# Altium PCB FlatSat Half 2.PcbDoc (part 7 of 9)
Units mil, origin at the board's own origin, x right, y up, seen from the top; angles counter-clockwise.
Board outline 4682 x 11604 mil, 4 copper layers (Top Layer, STR GND 1, STR GND 2, Bottom Layer), stack 33.434 mil thick; 231 components, 255 nets, 990 pads, 1104 vias.
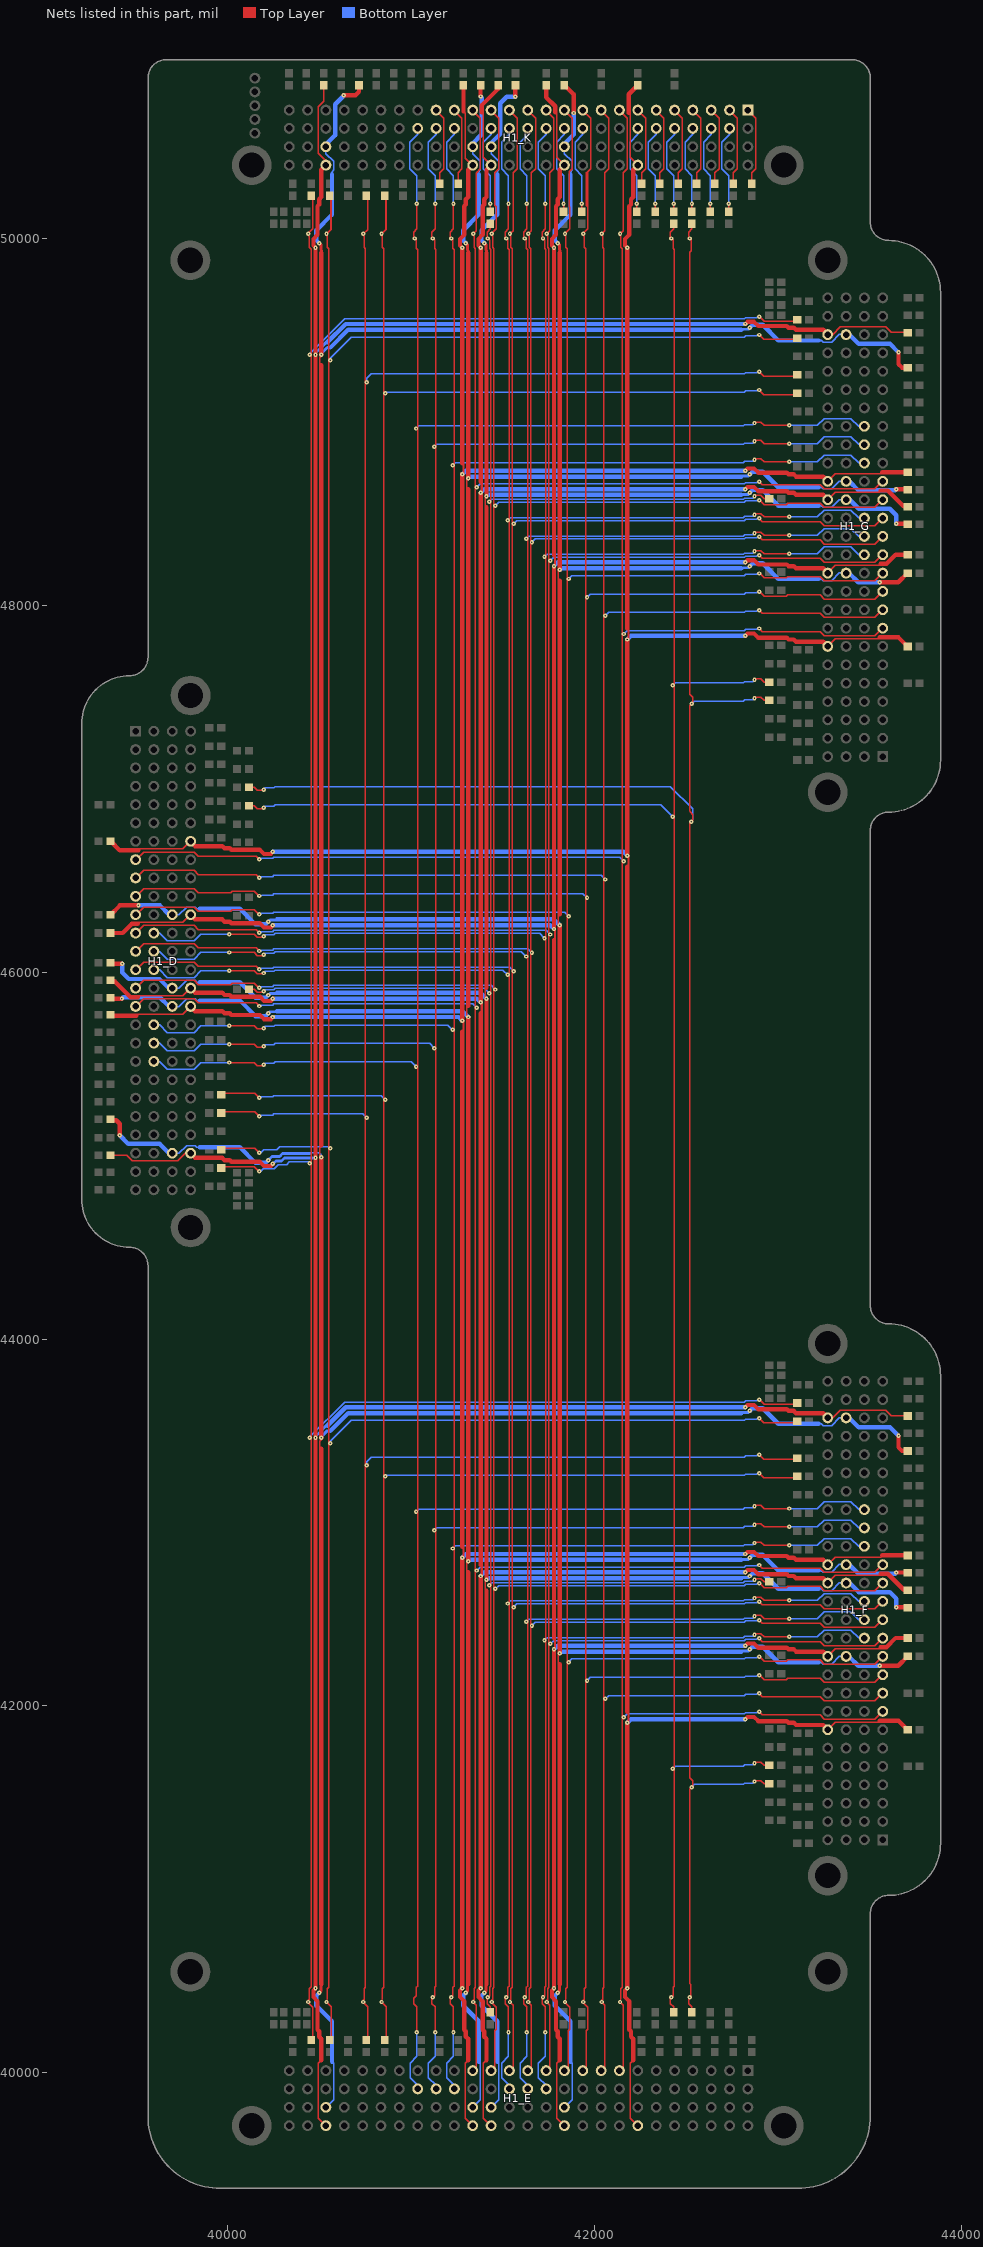
[diagram p9: the nets of this part, all layers, seen from the top]

## Via types
v1: diameter 24, hole 8, Top Layer to Bottom Layer, 1104 vias

## Nets (pads, with @x,y where several pads share a name; then routed paths per layer and width w, separated by ;. In a path a pad name is that pad's centre, name@x,y a point inside that pad or via, vN(x,y) a via of type N, cw(c..) or ccw(c..) an arc to the next point about the centre after c; other vN are vias at no path point) (continued)
GND_11: H1_D.73 H1_E.73 H1_F.73 H1_G.73 H1_K.73 J71_A.2 J71_D.2 J71_F.2 J71_G.2 | length 17789.7
  Top Layer w8: 41812,42228 41804,42236 41804,42280 v1(41812,42288) ; v1(41812,46255) 41804,46263 41804,46307 41812,46315 ; 41812,48133 41804,48141 41804,48185 v1(41812,48193)
  Top Layer w16: v1(41800,40436) 41809,40445 41809,40475 41812,40478 41812,40483 ; v1(41800,49974) 41809,49965 41809,49935 41812,49932 41812,49927
  Top Layer w24: J71_D.2@39363.48,46313 39413.95,46363.47 v1(39515,46363.47) ; 41812,40483 41812,42228 ; v1(41812,42288) v1(41812,46255) ; 41812,46315 41812,48133 ; v1(41812,48193) 41812,49922 ; J71_A.2@41837,50834.52 41887.47,50784.05 v1(41887.47,50683) ; v1(43556,42219.53) 43657.05,42219.53 J71_F.2@43707.52,42270 ; v1(43556,48124.53) 43657.05,48124.53 J71_G.2@43707.52,48175
  Bottom Layer w8: H1_D.73@39698,46312 39735,46312 39777.53,46354.53 39823.47,46354.53 39833,46345 39848,46345 ; H1_E.73@41837,39812 41878.53,39853.53 41878.53,40052.47 41870,40061 ; H1_K.73@41837,50499 41837,50462 41878.53,50420.47 41878.53,50372.53 41870,50364 41870,50349 ; 43223,42238 43238,42238 43247.53,42228.47 43293.47,42228.47 43336,42271 H1_F.73@43373,42271 ; 43223,48143 43238,48143 43247.53,48133.47 43293.47,48133.47 43336,48176 H1_G.73@43373,48176
  Bottom Layer w16: v1(40223,46275) 40232,46284 40262,46284 ; 40265,46287 40270,46287 ; 42801,42296 42806,42296 ; 42801,48201 42806,48201 ; 42809,42299 42839,42299 v1(42848,42308) ; 42809,48204 42839,48204 v1(42848,48213)
  Bottom Layer w22: 40208,46260 v1(40223,46275) ; 41785,40421 v1(41800,40436) ; 41785,49989 v1(41800,49974) ; v1(42848,42308) 42863,42323 ; v1(42848,48213) 42863,48228
  Bottom Layer w24: v1(39515,46363.47) 39632.53,46363.47 39683,46313 H1_D.73@39699,46313 ; 39848,46345 40068,46345 40153,46260 40208,46260 ; 40270,46287 41780,46287 v1(41812,46255) ; 41785,40421 41785,40366 41870,40281 41870,40061 ; 41785,49989 41785,50044 41870,50129 41870,50349 ; v1@41813,42289 41820,42296 42801,42296 ; v1@41813,48194 41820,48201 42801,48201 ; H1_K.73@41837,50499 41837,50515 41887.47,50565.47 v1(41887.47,50683) ; 42863,42323 42918,42323 43003,42238 43223,42238 ; 42863,48228 42918,48228 43003,48143 43223,48143 ; H1_F.73@43372,42270 43388,42270 43438.47,42219.53 v1(43556,42219.53) ; H1_G.73@43372,48175 43388,48175 43438.47,48124.53 v1(43556,48124.53)
GND_12: H1_D.81 H1_E.81 H1_F.81 H1_G.81 H1_K.81 J81_A.2 J81_D.2 J81_F.2 J81_G.2 | length 18341.7
  Top Layer w8: 41412,42628 41404,42636 41404,42680 v1(41412,42688) ; v1(41412,45855) 41404,45863 41404,45907 41412,45915 ; 41412,48533 41404,48541 41404,48585 v1(41412,48593)
  Top Layer w16: v1(41400,40436) 41409,40445 41409,40475 41412,40478 41412,40483 ; v1(41400,49974) 41409,49965 41409,49935 41412,49932 41412,49927
  Top Layer w24: J81_D.2@39363.48,46044.9 v1@39422.9,46044.9 ; 41412,40483 41412,42628 ; v1(41412,42688) v1(41412,45855) ; 41412,45915 41412,48533 ; v1(41412,48593) 41412,49922 ; v1@41568.9,50775.1 J81_A.2@41568.9,50834.52 ; v1@43648.1,42538.1 J81_F.2@43707.52,42538.1 ; v1@43648.1,48443.1 J81_G.2@43707.52,48443.1
  Bottom Layer w8: H1_D.81@39698,45912 39735,45912 39777.53,45954.53 39823.47,45954.53 39833,45945 39848,45945 ; H1_E.81@41437,39812 41478.53,39853.53 41478.53,40052.47 41470,40061 ; H1_K.81@41437,50499 41437,50462 41478.53,50420.47 41478.53,50372.53 41470,50364 41470,50349 ; 43223,42638 43238,42638 43247.53,42628.47 43293.47,42628.47 43336,42671 H1_F.81@43373,42671 ; 43223,48543 43238,48543 43247.53,48533.47 43293.47,48533.47 43336,48576 H1_G.81@43373,48576
  Bottom Layer w16: v1(40223,45875) 40232,45884 40262,45884 ; 40265,45887 40270,45887 ; 42801,42696 42806,42696 ; 42801,48601 42806,48601 ; 42809,42699 42839,42699 v1(42848,42708) ; 42809,48604 42839,48604 v1(42848,48613)
  Bottom Layer w22: 40208,45860 v1(40223,45875) ; 41385,40421 v1(41400,40436) ; 41385,49989 v1(41400,49974) ; v1(42848,42708) 42863,42723 ; v1(42848,48613) 42863,48628
  Bottom Layer w24: v1(39426,46045) 39426,45998 39461.47,45962.53 39629.47,45962.53 39679,45913 H1_D.81@39699,45913 ; 39848,45945 40068,45945 40153,45860 40208,45860 ; 40270,45887 41380,45887 v1(41412,45855) ; 41385,40421 41385,40366 41470,40281 41470,40061 ; 41385,49989 41385,50044 41470,50129 41470,50349 ; v1(41412,42688) 41420,42696 42801,42696 ; v1(41412,48593) 41420,48601 42801,48601 ; H1_K.81@41437,50499 41437,50519 41486.53,50568.53 41486.53,50736.53 41522,50772 v1(41569,50772) ; 42863,42723 42918,42723 43003,42638 43223,42638 ; 42863,48628 42918,48628 43003,48543 43223,48543 ; H1_F.81@43372,42670 43392,42670 43441.53,42620.47 43609.53,42620.47 43645,42585 v1(43645,42538) ; H1_G.81@43372,48575 43392,48575 43441.53,48525.47 43609.53,48525.47 43645,48490 v1(43645,48443)
GND_13: H1_D.83 H1_E.83 H1_F.83 H1_G.83 H1_K.83 J83_A.2 J83_D.2 J83_F.2 J83_G.2 | length 18216.5
  Top Layer w8: 41312,42728 41304,42736 41304,42780 v1(41312,42788) ; v1(41312,45755) 41304,45763 41304,45807 41312,45815 ; 41312,48633 41304,48641 41304,48685 v1(41312,48693)
  Top Layer w16: v1(41300,40436) 41309,40445 41309,40475 41312,40478 41312,40483 ; v1(41300,49974) 41309,49965 41309,49935 41312,49932 41312,49927
  Top Layer w24: J83_D.2@39363.48,45855.59 v1@39424.59,45855.59 ; 41312,40483 41312,42728 ; v1(41312,42788) v1(41312,45755) ; 41312,45815 41312,48633 ; v1(41312,48693) 41312,49922 ; v1@41379.59,50773.41 J83_A.2@41379.59,50834.52 ; v1@43646.41,42727.41 J83_F.2@43707.52,42727.41 ; v1@43646.41,48632.41 J83_G.2@43707.52,48632.41
  Bottom Layer w8: H1_D.83@39698,45812 39735,45812 39777.53,45854.53 39823.47,45854.53 39833,45845 39848,45845 ; H1_E.83@41337,39812 41378.53,39853.53 41378.53,40052.47 41370,40061 ; H1_K.83@41337,50499 41337,50462 41378.53,50420.47 41378.53,50372.53 41370,50364 41370,50349 ; 43223,42738 43238,42738 43247.53,42728.47 43293.47,42728.47 43336,42771 H1_F.83@43373,42771 ; 43223,48643 43238,48643 43247.53,48633.47 43293.47,48633.47 43336,48676 H1_G.83@43373,48676
  Bottom Layer w16: v1(40223,45775) 40232,45784 40262,45784 ; 40265,45787 40270,45787 ; 42801,42796 42806,42796 ; 42801,48701 42806,48701 ; 42809,42799 42839,42799 v1(42848,42808) ; 42809,48704 42839,48704 v1(42848,48713)
  Bottom Layer w22: 40208,45760 v1(40223,45775) ; 41285,40421 v1(41300,40436) ; 41285,49989 v1(41300,49974) ; v1(42848,42808) 42863,42823 ; v1(42848,48713) 42863,48728
  Bottom Layer w24: v1(39425,45856) 39431.53,45862.53 39631.47,45862.53 39681,45813 H1_D.83@39699,45813 ; 39848,45845 40068,45845 40153,45760 40208,45760 ; 40270,45787 41280,45787 v1(41312,45755) ; 41285,40421 41285,40366 41370,40281 41370,40061 ; 41285,49989 41285,50044 41370,50129 41370,50349 ; v1(41312,42788) 41320,42796 42801,42796 ; v1(41312,48693) 41320,48701 42801,48701 ; H1_K.83@41337,50499 41337,50517 41386.53,50566.53 41386.53,50766.47 v1(41380,50773) ; 42863,42823 42918,42823 43003,42738 43223,42738 ; 42863,48728 42918,48728 43003,48643 43223,48643 ; H1_F.83@43372,42770 43390,42770 43439.53,42720.47 43639.47,42720.47 v1(43646,42727) ; H1_G.83@43372,48675 43390,48675 43439.53,48625.47 43639.47,48625.47 v1(43646,48632)
GND_14: H1_D.99 H1_E.99 H1_F.99 H1_G.99 H1_K.99 J99_A.2 J99_D.2 J99_F.2 J99_G.2 | length 19492.3
  Top Layer w8: 40512,43402 40504,43410 40504,43444 40512,43452 v1(40512,43461) ; v1(40512,44991) 40504,44999 40504,45043 40512,45051 ; 40512,49307 40504,49315 40504,49349 40512,49357 v1(40512,49366)
  Top Layer w16: v1(40500,40436) 40509,40445 40509,40475 40512,40478 40512,40483 ; v1(40500,49974) 40509,49965 40509,49935 40512,49932 40512,49927
  Top Layer w24: J99_D.2@39360.48,45193 39394,45193 39413,45174 v1(39413,45110) ; 40512,40483 40512,43402 ; v1(40512,43461) v1(40512,44991) ; 40512,45057 40512,49307 ; v1(40512,49366) 40512,49922 ; v1(40634,50780) 40698,50780 40717,50799 J99_A.2@40717,50832.52 ; v1(43658,43473) 43658,43409 43677,43390 J99_F.2@43710.52,43390 ; v1(43658,49378) 43658,49314 43677,49295 J99_G.2@43710.52,49295
  Bottom Layer w8: H1_D.99@39698,45012 39735,45012 39777.53,45054.53 39823.47,45054.53 39833,45045 39848,45045 ; 40451,45011 40455,45015 40499,45015 40510,45004 ; H1_E.99@40537,39812 40578.53,39853.53 40578.53,40052.47 40570,40061 ; H1_K.99@40537,50499 40537,50462 40578.53,50420.47 40578.53,50372.53 40570,50364 40570,50349 ; 43223,43538 43238,43538 43247.53,43528.47 43293.47,43528.47 43336,43571 H1_F.99@43373,43571 ; 43223,49443 43238,49443 43247.53,49433.47 43293.47,49433.47 43336,49476 H1_G.99@43373,49476
  Bottom Layer w16: v1(40223,44975) 40243,44995 40284.83,44995 40300.83,45011 40451,45011 ; v1(40512,43461) 40512,43467.38 40544.45,43499.83 40561.42,43499.83 ; v1(40512,49366) 40512,49372.38 40544.45,49404.83 40561.42,49404.83 ; 42801,43596 42806,43596 ; 42801,49501 42806,49501 ; 42809,43599 42839,43599 v1(42848,43608) ; 42809,49504 42839,49504 v1(42848,49513)
  Bottom Layer w22: 40208,44960 v1(40223,44975) ; 40485,40421 v1(40500,40436) ; 40485,49989 v1(40500,49974) ; v1(42848,43608) 42863,43623 ; v1(42848,49513) 42863,49528
  Bottom Layer w24: v1(39413,45110) 39459.53,45063.47 39630.53,45063.47 39681,45013 H1_D.99@39699,45013 ; 39848,45045 40068,45045 40153,44960 40208,44960 ; 40485,40421 40485,40366 40570,40281 40570,40061 ; 40485,49989 40485,50044 40570,50129 40570,50349 ; H1_K.99@40537,50499 40537,50512 40587.47,50562.47 40587.47,50730.59 40634,50777.12 v1(40634,50780) ; 40561.42,43499.83 40657.59,43596 42801,43596 ; 40561.42,49404.83 40657.59,49501 42801,49501 ; 42863,43623 42918,43623 43003,43538 43223,43538 ; 42863,49528 42918,49528 43003,49443 43223,49443 ; H1_F.99@43372,43570 43390,43570 43440.47,43519.53 43611.47,43519.53 v1(43658,43473) ; H1_G.99@43372,49475 43390,49475 43440.47,49424.53 43611.47,49424.53 v1(43658,49378)
GND_15: H1_D.66 H1_E.66 H1_F.66 H1_G.66 H1_K.66 J66_A.1 J66_D.1 J66_F.1 J66_G.1 | length 17357
  Top Layer w8: 39515,46663.47 39523,46671.47 39757.47,46671.47 39798,46712 H1_D.66@39799,46713 ; 42187.47,50683 42195.47,50675 42195.47,50440.53 H1_K.66@42237,50399 ; 42212,40069 42195.47,40052.47 42195.47,39753.53 H1_E.66@42237,39712 ; H1_F.66@43272,41870 43273,41871 43313.53,41911.53 43548,41911.53 43556,41919.53 ; H1_G.66@43272,47775 43273,47776 43313.53,47816.53 43548,47816.53 43556,47824.53
  Top Layer w12: v1@42180,41910 42186,41916 42186,41962 42180,41968 ; 42180,46575 42186,46581 42186,46629 v1(42180,46635) ; v1@42180,47815 42186,47821 42186,47867 42180,47873
  Top Layer w22: 40177,46666 40200,46643 40236.25,46643 ; v1@42179.87,40461.13 42168,40449.25 42168,40413 42191,40390 ; v1@42179.87,49948.87 42168,49960.75 42168,49997 42191,50020 ; v1@42822.87,41928.13 42834.75,41940 42871,41940 42894,41917 ; v1@42822.87,47833.13 42834.75,47845 42871,47845 42894,47822
  Top Layer w24: J66_D.1@39363.48,46713 39413.01,46663.47 39515,46663.47 ; H1_D.66@39798,46712 39823,46687 39972,46687 39984,46675 40012.6,46675 40021.6,46666 40177,46666 ; v1(42180,40461) v1(42180,41908) ; 42180,41968 42180,46575 ; v1(42180,46635) v1(42180,47813) ; 42180,47873 v1@42180,49944 ; 42187.47,50683 42187.47,50784.99 J66_A.1@42237,50834.52 ; 42191,40390 42191,40234.6 42200,40225.6 42200,40197 42212,40185 42212,40069 ; 42191,50020 42191,50175.4 42200,50184.4 42200,50213 42212,50225 42212,50374 H1_K.66@42237,50399 ; 42894,41917 43049.4,41917 43058.4,41908 43087,41908 43099,41896 43248,41896 H1_F.66@43273,41871 ; 42894,47822 43049.4,47822 43058.4,47813 43087,47813 43099,47801 43248,47801 H1_G.66@43273,47776 ; 43556,41919.53 43657.99,41919.53 J66_F.1@43707.52,41870 ; 43556,47824.53 43657.99,47824.53 J66_G.1@43707.52,47775
  Bottom Layer w24: v1(40248,46655) 42160,46655 v1(42180,46635) ; v1(42180,41908) 42200,41928 v1(42823,41928) ; v1(42180,47813) 42200,47833 v1(42823,47833)
  other v1: 42180,49949
GND_16: H1_D.74 H1_E.74 H1_F.74 H1_G.74 H1_K.74 J74_A.1 J74_D.1 J74_F.1 J74_G.1 | length 17779.4
  Top Layer w8: 39511,46262.53 39519.94,46271.47 39757.47,46271.47 39798,46312 H1_D.74@39799,46313 ; 41786.53,50687 41795.47,50678.06 41795.47,50440.53 H1_K.74@41837,50399 ; 41812,40069 41795.47,40052.47 41795.47,39753.53 H1_E.74@41837,39712 ; H1_F.74@43272,42270 43273,42271 43313.53,42311.53 43551.06,42311.53 43560,42320.47 ; H1_G.74@43272,48175 43273,48176 43313.53,48216.53 43551.06,48216.53 43560,48225.47
  Top Layer w12: v1(41780,42308) 41786,42314 41786,42362 41780,42368 ; 41780,46175 41786,46181 41786,46229 v1(41780,46235) ; v1(41780,48213) 41786,48219 41786,48267 41780,48273
  Top Layer w22: 40177,46266 40200,46243 40236.25,46243 v1@40248.13,46254.87 ; v1@41779.87,40461.13 41768,40449.25 41768,40413 41791,40390 ; v1@41779.87,49948.87 41768,49960.75 41768,49997 41791,50020 ; v1@42822.87,42328.13 42834.75,42340 42871,42340 42894,42317 ; v1@42822.87,48233.13 42834.75,48245 42871,48245 42894,48222
  Top Layer w24: J74_D.1@39363.48,46213 39428.96,46213 39478.49,46262.53 39511,46262.53 ; H1_D.74@39798,46312 39823,46287 39972,46287 39984,46275 40012.6,46275 40021.6,46266 40177,46266 ; J74_A.1@41737,50834.52 41737,50769.04 41786.53,50719.51 41786.53,50687 ; v1(41780,40461) v1(41780,42308) ; 41780,42368 41780,46175 ; v1(41780,46235) v1(41780,48213) ; 41780,48273 v1@41780,49944 ; 41791,40390 41791,40234.6 41800,40225.6 41800,40197 41812,40185 41812,40069 ; 41791,50020 41791,50175.4 41800,50184.4 41800,50213 41812,50225 41812,50374 H1_K.74@41837,50399 ; 42894,42317 43049.4,42317 43058.4,42308 43087,42308 43099,42296 43248,42296 H1_F.74@43273,42271 ; 42894,48222 43049.4,48222 43058.4,48213 43087,48213 43099,48201 43248,48201 H1_G.74@43273,48176 ; 43560,42320.47 43592.51,42320.47 43642.04,42370 J74_F.1@43707.52,42370 ; 43560,48225.47 43592.51,48225.47 43642.04,48275 J74_G.1@43707.52,48275
  Bottom Layer w24: v1(40248,46255) 41760,46255 v1(41780,46235) ; v1(41780,42308) 41800,42328 v1(42823,42328) ; v1(41780,48213) 41800,48233 v1(42823,48233)
  other v1: 41780,49949
GND_17: H1_D.82 H1_E.82 H1_F.82 H1_G.82 H1_K.82 J82_A.1 J82_D.1 J82_F.1 J82_G.1 | length 18241.1
  Top Layer w8: 39510,45863 39518.47,45871.47 39757.47,45871.47 39798,45912 H1_D.82@39799,45913 ; 41387,50688 41395.47,50679.53 41395.47,50440.53 H1_K.82@41437,50399 ; 41412,40069 41395.47,40052.47 41395.47,39753.53 H1_E.82@41437,39712 ; H1_F.82@43272,42670 43273,42671 43313.53,42711.53 43552.53,42711.53 43561,42720 ; H1_G.82@43272,48575 43273,48576 43313.53,48616.53 43552.53,48616.53 43561,48625
  Top Layer w12: v1(41380,42708) 41386,42714 41386,42762 41380,42768 ; 41380,45775 41386,45781 41386,45829 v1(41380,45835) ; v1(41380,48613) 41386,48619 41386,48667 41380,48673
  Top Layer w22: 40177,45866 40200,45843 40236.25,45843 v1@40248.13,45854.87 ; v1@41379.87,40461.13 41368,40449.25 41368,40413 41391,40390 ; v1@41379.87,49948.87 41368,49960.75 41368,49997 41391,50020 ; v1@42822.87,42728.13 42834.75,42740 42871,42740 42894,42717 ; v1@42822.87,48633.13 42834.75,48645 42871,48645 42894,48622
  Top Layer w24: J82_D.1@39363.48,45950.24 39384.76,45950.24 39472,45863 39510,45863 ; H1_D.82@39798,45912 39823,45887 39972,45887 39984,45875 40012.6,45875 40021.6,45866 40177,45866 ; v1(41380,40461) v1(41380,42708) ; 41380,42768 41380,45775 ; v1(41380,45835) v1(41380,48613) ; 41380,48673 v1@41380,49944 ; 41387,50688 41387,50726 41474.24,50813.24 J82_A.1@41474.24,50834.52 ; 41391,40390 41391,40234.6 41400,40225.6 41400,40197 41412,40185 41412,40069 ; 41391,50020 41391,50175.4 41400,50184.4 41400,50213 41412,50225 41412,50374 H1_K.82@41437,50399 ; 42894,42717 43049.4,42717 43058.4,42708 43087,42708 43099,42696 43248,42696 H1_F.82@43273,42671 ; 42894,48622 43049.4,48622 43058.4,48613 43087,48613 43099,48601 43248,48601 H1_G.82@43273,48576 ; 43561,42720 43599,42720 43686.24,42632.76 J82_F.1@43707.52,42632.76 ; 43561,48625 43599,48625 43686.24,48537.76 J82_G.1@43707.52,48537.76
  Bottom Layer w24: v1(40248,45855) 41360,45855 v1(41380,45835) ; v1(41380,42708) 41400,42728 v1(42823,42728) ; v1(41380,48613) 41400,48633 v1(42823,48633)
  other v1: 41380,49949
GND_18: H1_D.84 H1_E.84 H1_F.84 H1_G.84 H1_K.84 J84_A.1 J84_D.1 J84_F.1 J84_G.1 | length 18197.3
  Top Layer w8: 39502,45762.53 39510.94,45771.47 39757.47,45771.47 39798,45812 H1_D.84@39799,45813 ; 41286.53,50691 41295.47,50682.06 41295.47,50435.53 41334.5,50396.5 H1_K.84@41337,50394 ; 41312,40069 41295.47,40052.47 41295.47,39753.53 H1_E.84@41337,39712 ; H1_F.84@43272,42770 43273,42771 43313.53,42811.53 43560.06,42811.53 43569,42820.47 ; H1_G.84@43272,48675 43273,48676 43313.53,48716.53 43560.06,48716.53 43569,48725.47
  Top Layer w12: v1(41280,42808) 41286,42814 41286,42862 41280,42868 ; 41280,45675 41286,45681 41286,45729 v1(41280,45735) ; v1(41280,48713) 41286,48719 41286,48767 41280,48773
  Top Layer w22: 40177,45766 40200,45743 40236.25,45743 v1@40248.13,45754.87 ; v1@41279.87,40461.13 41268,40449.25 41268,40413 41291,40390 ; v1@41279.87,49948.87 41268,49960.75 41268,49997 41291,50020 ; v1@42822.87,42828.13 42834.75,42840 42871,42840 42894,42817 ; v1@42822.87,48733.13 42834.75,48745 42871,48745 42894,48722
  Top Layer w24: J84_D.1@39363.48,45762.53 39502,45762.53 ; H1_D.84@39798,45812 39823,45787 39972,45787 39984,45775 40012.6,45775 40021.6,45766 40177,45766 ; v1(41280,40461) v1(41280,42808) ; 41280,42868 41280,45675 ; v1(41280,45735) v1(41280,48713) ; 41280,48773 v1@41280,49944 ; 41286.53,50691 J84_A.1@41286.53,50829.52 ; 41291,40390 41291,40234.6 41300,40225.6 41300,40197 41312,40185 41312,40069 ; 41291,50020 41291,50175.4 41300,50184.4 41300,50213 41312,50225 41312,50374 41334.5,50396.5 H1_K.84@41337,50399 ; 42894,42817 43049.4,42817 43058.4,42808 43087,42808 43099,42796 43248,42796 H1_F.84@43273,42771 ; 42894,48722 43049.4,48722 43058.4,48713 43087,48713 43099,48701 43248,48701 H1_G.84@43273,48676 ; 43569,42820.47 J84_F.1@43707.52,42820.47 ; 43569,48725.47 J84_G.1@43707.52,48725.47
  Bottom Layer w24: v1(40248,45755) 41260,45755 v1(41280,45735) ; v1(41280,42808) 41300,42828 v1(42823,42828) ; v1(41280,48713) 41300,48733 v1(42823,48733)
  other v1: 41280,49949
GND_19: H1_D.100 H1_E.100 H1_F.100 H1_G.100 H1_K.100 J100_A.1 J100_D.1 J100_F.1 J100_G.1 | length 19156.5
  Top Layer w8: J100_D.1@39362.48,45001 39452.27,45001 39481.8,44971.47 39716.2,44971.47 ; 39716.26,44971.53 39729.53,44971.53 39771,45013 H1_D.100@39799,45013 ; 40495.47,50476.8 40495.47,50717.47 40525,50747 J100_A.1@40525,50830.52 ; 40495.53,50476.74 40495.53,50463.47 40537,50422 H1_K.100@40537,50399 H1_K.100@40537,50394 ; 40512,40069 40495.47,40052.47 40495.47,39753.53 H1_E.100@40537,39712 ; H1_F.100@43272,43570 43300,43570 43341.47,43611.47 43354.74,43611.47 ; H1_G.100@43272,49475 43300,49475 43341.47,49516.47 43354.74,49516.47 ; 43354.8,43611.53 43589.2,43611.53 43618.73,43582 J100_F.1@43708.52,43582 ; 43354.8,49516.53 43589.2,49516.53 43618.73,49487 J100_G.1@43708.52,49487
  Top Layer w22: 40177,44966 40200,44943 40236.25,44943 v1@40248.13,44954.87 ; v1@40479.87,40461.13 40468,40449.25 40468,40413 40491,40390 ; v1@40479.87,49948.87 40468,49960.75 40468,49997 40491,50020 ; v1@42822.87,43628.13 42834.75,43640 42871,43640 42894,43617 ; v1@42822.87,49533.13 42834.75,49545 42871,49545 42894,49522
  Top Layer w24: H1_D.100@39798,45012 39823,44987 39972,44987 39984,44975 40012.6,44975 40021.6,44966 40177,44966 ; v1@40480,40461.13 v1(40480,43461) v1(40480,44987) v1(40480,49366) v1@40480,49944 ; 40491,40390 40491,40234.6 40500,40225.6 40500,40197 40512,40185 40512,40069 ; 40491,50020 40491,50175.4 40500,50184.4 40500,50213 40512,50225 40512,50374 H1_K.100@40537,50399 ; 42894,43617 43049.4,43617 43058.4,43608 43087,43608 43099,43596 43248,43596 H1_F.100@43273,43571 ; 42894,49522 43049.4,49522 43058.4,49513 43087,49513 43099,49501 43248,49501 H1_G.100@43273,49476
  Bottom Layer w16: v1(40248,44955) 40264,44971 40294.77,44971 40310.77,44987 v1(40480,44987) ; v1(40480,43461) 40480,43469.32 40538.51,43527.83 40544.17,43527.83 ; v1(40480,49366) 40480,49374.32 40538.51,49432.83 40544.17,49432.83
  Bottom Layer w24: 40544.17,43527.83 40644.33,43628 v1(42823,43628) ; 40544.17,49432.83 40644.33,49533 v1(42823,49533)
  other v1: 40480,40461 40480,49949
GPIO_ADCS_1: R8_A.2 R8_D.2 R8_E.2 R8_F.2 R8_G.2 | length 13252.9
  Top Layer w8: R8_D.2@40117.48,47007 40146,47007 40163,46990 40193,46990 v1(40198,46995) ; 42520,46875.37 42521.37,46874 42521.94,46874 42537,46858.94 42537,46829 v1(42528,46820) 42520,46812 42520,41608.94 42536,41592.94 42536,41563 42520,41547 42520,40486.63 42525,40481.63 42525,40416 v1(42520,40411) 42515,40406 42515,40376 42532,40359 R8_E.2@42532,40330.48 ; 42520,46875.94 42520,47452 42536,47468 42536,47497.94 42520,47513.94 42520,49923.37 42529,49932.37 42529,49990 v1(42520,49999) 42515,50004 42515,50034 42532,50051 R8_A.2@42532,50079.52 R8_A.2@42532,50079.85 ; v1(42873,41588) 42878,41593 42908,41593 42925,41576 R8_F.2@42953.52,41576 ; v1(42873,47493) 42878,47498 42908,47498 42925,47481 R8_G.2@42953.52,47481
  Bottom Layer w8: v1(40198,46995) 40207,47004 40252.41,47004 40259.41,47011 42414.63,47011 42536,46889.63 42536,46830 ; v1@42530.63,41557.63 42545,41572 42811.59,41572 42818.59,41579 42864,41579 v1(42873,41588) ; v1@42530.63,47462.63 42545,47477 42811.59,47477 42818.59,47484 42864,47484 v1(42873,47493)
  other v1: 42531.25,41557 42531.25,47462
GPIO_ADCS_2: R10_A.2 R10_D.2 R10_E.2 R10_F.2 R10_G.2 | length 13229.6
  Top Layer w8: R10_D.2@40117.15,46907 R10_D.2@40117.48,46907 40146,46907 40163,46890 40193,46890 v1(40198,46895) ; R10_E.2@42432,40330.15 R10_E.2@42432,40330.48 42432,40359 42415,40376 42415,40406 v1(42420,40411) 42429,40420 42429,40465.41 42436,40472.41 42436,49937.59 42429,49944.59 42429,49990 v1(42420,49999) 42415,50004 42415,50034 42432,50051 R10_A.2@42432,50079.52 R10_A.2@42432,50079.85 ; v1(42873,41688) 42878,41693 42908,41693 42925,41676 R10_F.2@42953.52,41676 R10_F.2@42953.85,41676 ; v1(42873,47593) 42878,47598 42908,47598 42925,47581 R10_G.2@42953.52,47581 R10_G.2@42953.85,47581